# Altium PCB Daughter Board.PcbDoc (part 2 of 3) (continued)
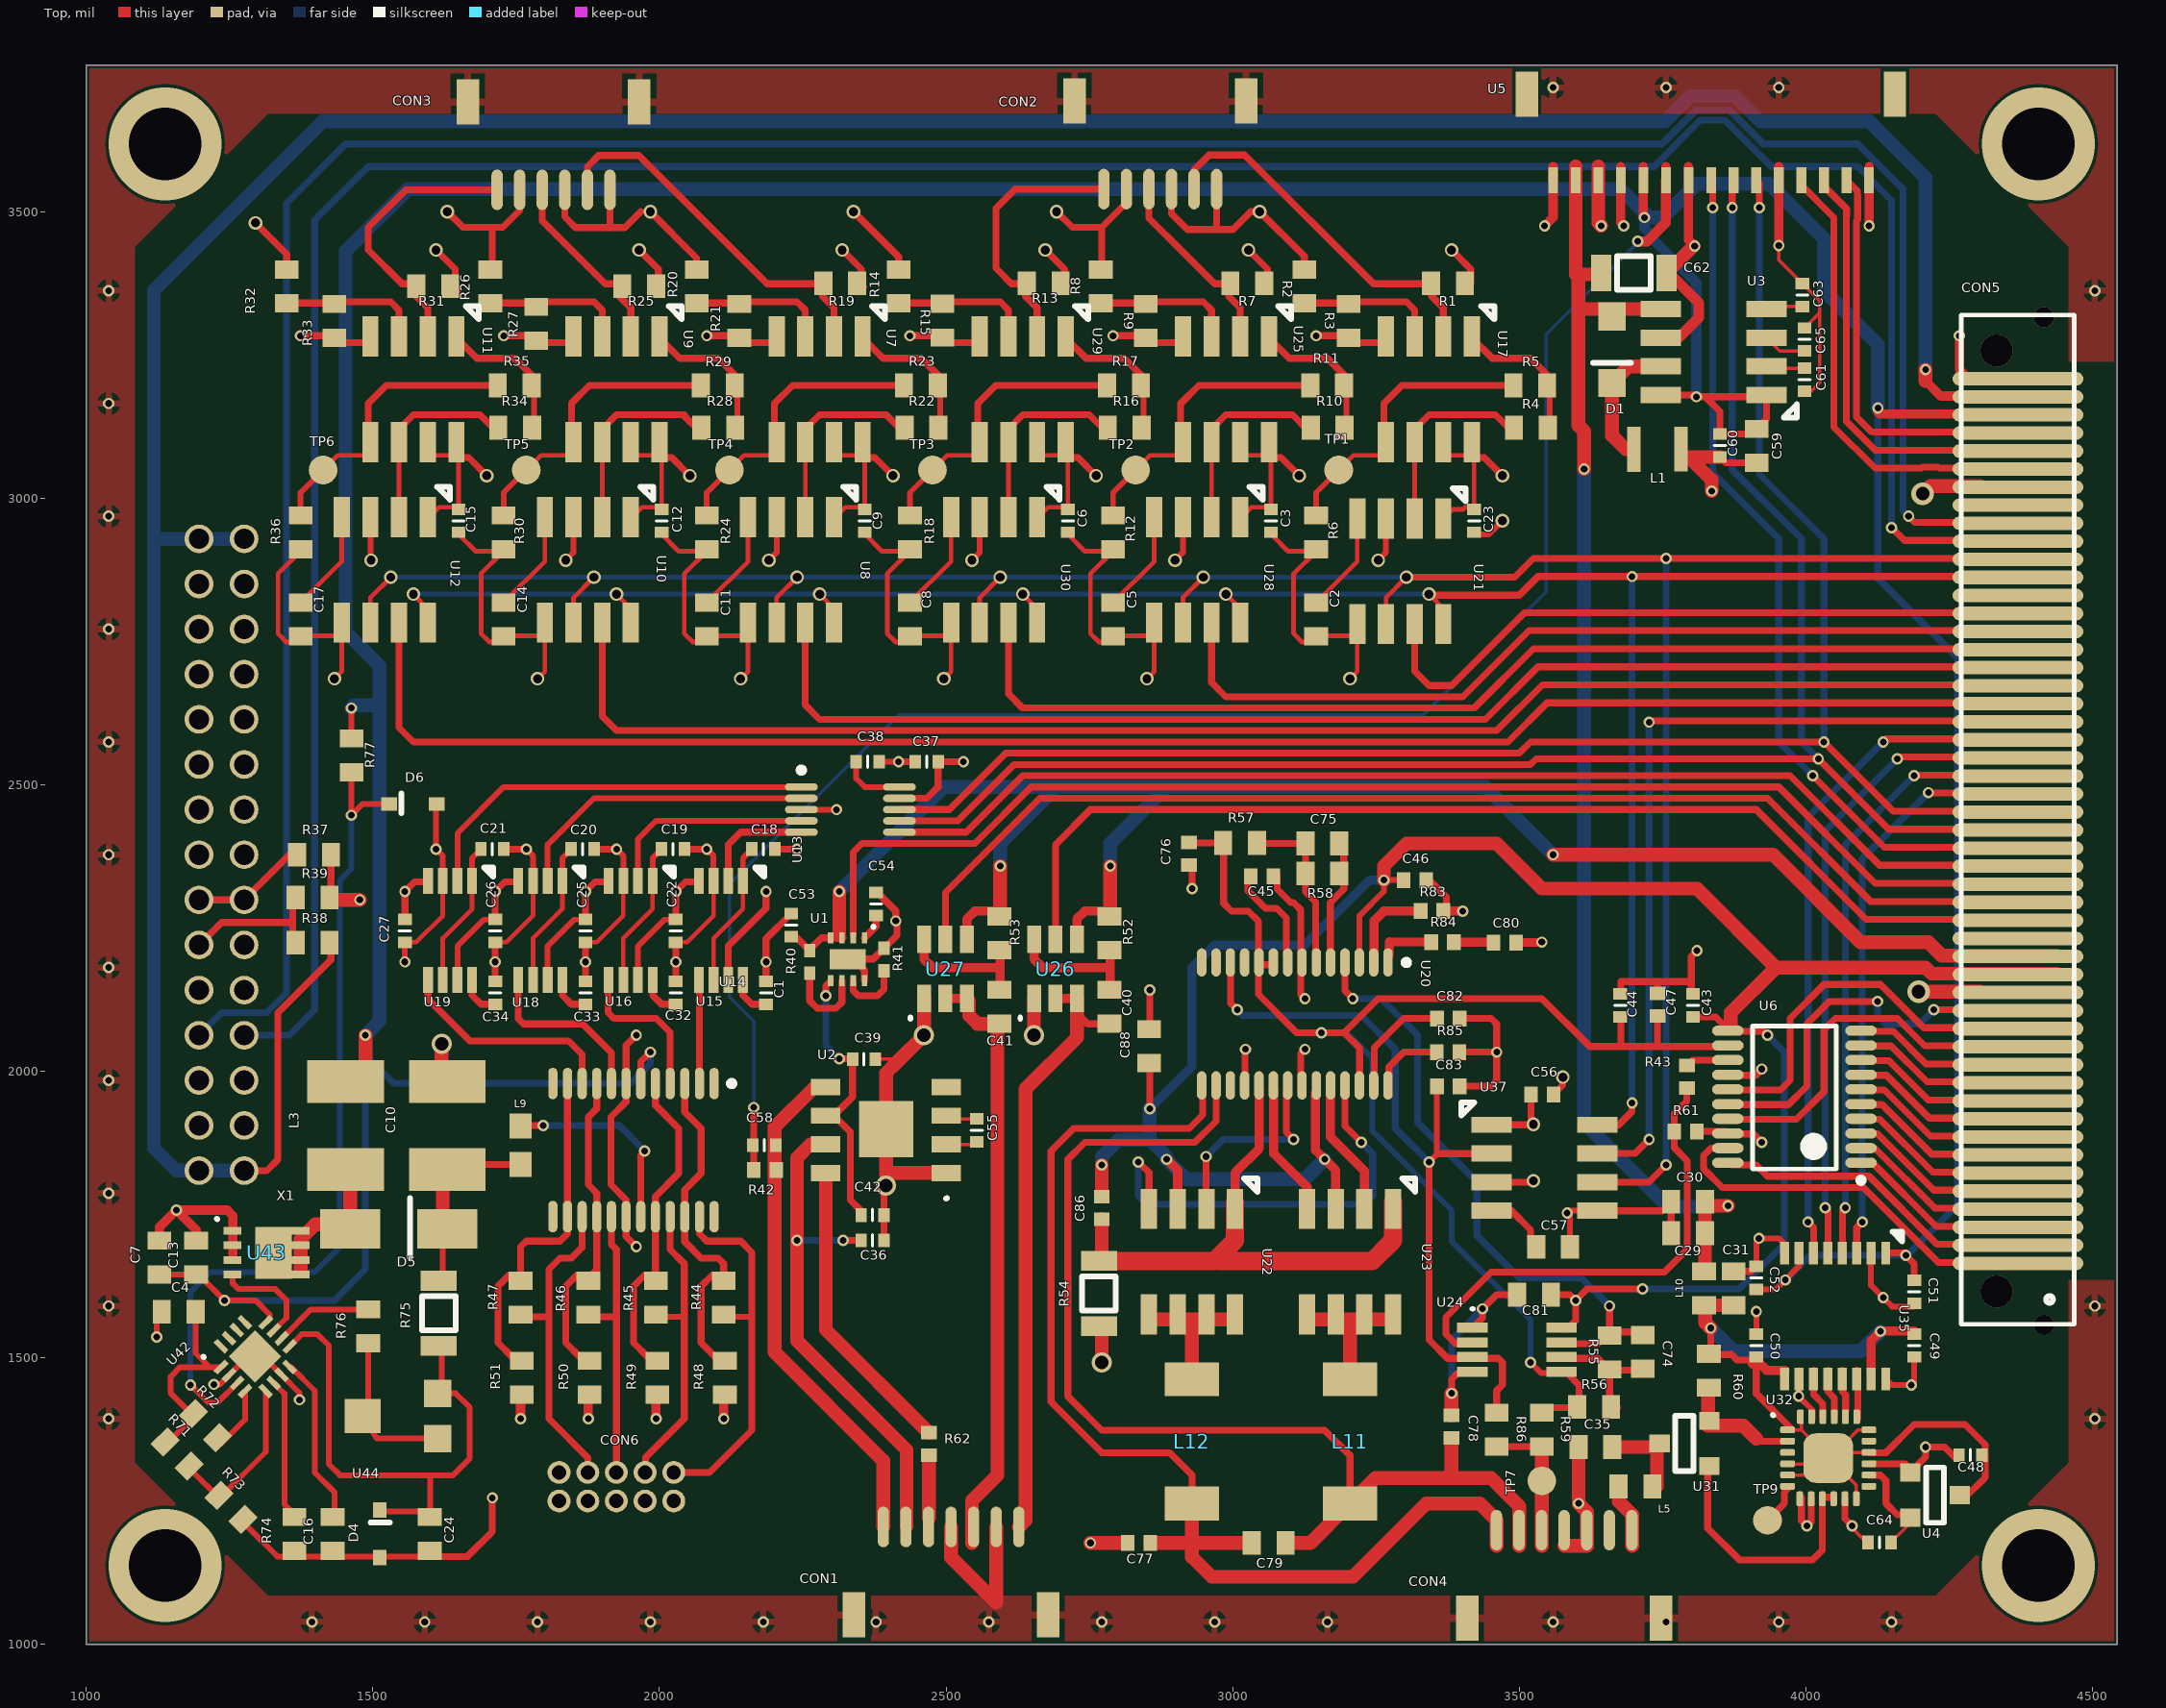
[diagram p0: Top view]
## Nets (pads, with @x,y where several pads share a name; then routed paths per layer and width w, separated by ;. In a path a pad name is that pad's centre, name@x,y a point inside that pad or via, vN(x,y) a via of type N, cw(c..) or ccw(c..) an arc to the next point about the centre after c; other vN are vias at no path point) (continued)
  Top w12: C45.2@3026.57,2343.5 3026.57,2314.96 3057.09,2284.45 3076.77,2284.45 3093.5,2267.72 U20.8@3093.5,2202.76
NetC54_2: C54.2 U1.1 | length 47.7
  Top w12: U1.1@2357.89,2232.88 2377.93,2252.92 C54.2@2377.93,2272 C54.2@2377.93,2272.32
NetC55_1: C55.1 U2.3 | length 55.7
  Top w6: U2.3@2500.31,1922.61 2505.88,1917.04 C55.1@2553.74,1917.04
NetC55_2: C55.2 U2.2 | length 55.3
  Top w6: U2.2@2500.31,1872.61 2549.31,1872.61 C55.2@2553.74,1877.04
NetC57_1: C57.1 U37.4 | length 111.2
  Top w12: U37.4@3451.77,1756.69 3486.42,1756.69 3519.69,1723.43 C57.1@3519.69,1693.9
NetC61_2: C61.2 U3.2 | length 67.6
  Top w6: U3.2@3931.31,3230 3934.41,3226.9 C61.2@3997.66,3226.9
NetC63_2: C63.2 U3.4 | length 64.4
  Top w6: U3.4@3931.31,3330 3935.74,3334.43 C63.2@3993.87,3334.43
NetC64_2: C64.2 U4.2 U32.14 | length 181.4
  Top w6: C64.2@4148.32,1178 4181.89,1211.57 U4.2@4181.89,1221.23
  Top w12: U32.14@4109.25,1295.28 4129.92,1295.28 4139.76,1285.43 4139.76,1246.06 4159.45,1226.38 U4.2@4181.89,1226.38
NetC65_2: C65.2 U3.3 | length 75.9
  Top w6: U3.3@3931.31,3280 3954.31,3257 C65.2@3997.66,3257
NetC74_1: C74.1 R55.2 U20.4 U24.7 | length 1092.7
  Top w12: U20.4@3195.87,2202.76 3195.87,2140.75 v1(3209.65,2126.97) ; U24.7@3583.15,1524.65 3636.85,1524.65 R55.2@3657.48,1545.28 ; v1(3657.48,1590.55) R55.2@3657.48,1545.28 ; C74.1@3726.38,1545.28 R55.2@3657.48,1545.28
  Bottom w12: v1(3209.65,2126.97) 3258.86,2126.97 3322.83,2062.99 3322.83,1910.43 3426.18,1807.09 3426.18,1713.58 3500,1639.76 3608.27,1639.76 v1(3657.48,1590.55)
NetC74_2: C74.2 R55.1 R56.2 U24.6 | length 222.5
  Top w12: U24.6@3583.15,1499.06 3636.77,1499.06 R55.1@3657.48,1478.35 ; R56.2@3671.26,1413.39 3657.48,1427.17 R55.1@3657.48,1478.35 ; C74.2@3726.38,1478.35 R55.1@3657.48,1478.35
NetC75_1: C75.1 R58.2 U20.5 | length 204.7
  Top w12: U20.5@3170.28,2202.76 3170.28,2294.29 3193.9,2317.91 3193.9,2338.58 C75.1@3193.9,2397.64
NetC75_2: C75.2 R57.1 R58.1 U20.6 | length 278
  Top w12: R57.1@3051.18,2397.64 C75.2@3126.97,2397.64 3126.97,2338.58 3126.97,2312.99 3144.69,2295.28 U20.6@3144.69,2202.76
NetC80_2: C80.2 R84.2 | length 47.2
  Top w16: R84.2@3397.64,2225.39 C80.2@3444.88,2225.39
NetC82_1: C82.1 U20.27 | length 209.2
  Top w12: U20.27@3247.05,1962.6 3247.05,2041.34 3298.23,2092.52 C82.1@3356.3,2092.52
NetC83_1: C83.1 R86.1 U20.12 U24.3 U37.2 | length 1381.5
  Top w6: U20.12@2996.4,2185.9 U20.12@2996.5,2186
  Top w10: v1(3342.52,1841.54) 3356.3,1855.32 C83.1@3356.3,1974.41
  Top w12: U20.12@2996.4,2185.9 2996.4,2118.75 v1(3007.87,2107.28) ; v1(3342.52,1841.54) 3342.52,1531.5 3374.96,1499.06 3463.54,1499.06 3470.47,1492.13 3470.47,1452.76 3460.63,1442.91 R86.1@3460.63,1412.4 ; 3356.3,1855.32 3357.28,1856.3 3436.61,1856.3 U37.2@3451.77,1856.69
  Bottom w12: v1(3007.87,2107.28) 3017.72,2097.44 3224.41,2097.44 3283.46,2038.39 3283.46,1900.59 v1(3342.52,1841.54)
NetC86_1: C86.1 R54.2 U20.19 U22.1 U23.1 | length 992.9
  Top w16: U22.1@3004.13,1771.65 3004.13,1823.03 3046.5,1865.4 U20.19@3046.5,1971.43
  Top w24: R54.2@2771.65,1671.14 C86.1@2771.65,1742.13
  Top w32: R54.2@2771.65,1671.14 2773.5,1669.29 2968.5,1669.29 2973.43,1674.21 ; U22.1@3004.13,1771.65 U22.1@3004.13,1760 3004.13,1704.92 2973.43,1674.21 ; U23.1@3279.72,1771.65 U23.1@3279.72,1760 3279.72,1704.92 3244.09,1669.29 2978.35,1669.29 2973.43,1674.21
NetCON1_5: CON1.5 R62.1 | length 115.7
  Top w6: CON1.5@2463.79,1220.51 CON1.5@2470,1220.51
  Top w24: CON1.5@2470,1220.51 R62.1@2470,1329.98
NetCON5_7: CON5.7 U6.5 | length 242.8
  Top w12: U6.5@4097.16,1941.93 4132.87,1941.93 4219.29,1855.51 CON5.7@4304.13,1855.51
NetCON5_13: CON5.13 U6.17 | length 593
  Top w12: U6.17@3867.41,1916.34 3983.27,1916.34 4031.5,1964.57 4031.5,2072.83 4051.18,2092.52 4159.45,2092.52 4207.48,2044.49 CON5.13@4304.13,2044.49
NetCON5_14: CON5.14 U6.15 | length 607.7
  Top w12: U6.15@3867.41,1967.52 3955.71,1967.52 3972.44,1984.25 3972.44,2092.52 4031.5,2151.57 4129.92,2151.57 4205.51,2075.98 CON5.14@4304.13,2075.98
NetCON5_15: CON5.15 U6.16 | length 615.9
  Top w12: U6.16@3867.41,1941.93 3969.49,1941.93 4001.97,1974.41 4001.97,2082.68 4041.34,2122.05 v1(4125,2122.05) ; v1@4223.23,2107.48 CON5.15@4304.13,2107.48
  Bottom w12: v1(4125,2122.05) 4125,2097.44 4139.76,2082.68 4198.82,2082.68 v1(4223.43,2107.28)
NetCON5_24: CON5.24 U5.8 | length 1456.7
  Top w6: U5.8@3834.65,3555 U5.8@3837.34,3552.32
  Top w12: v1(3837.34,3507.15) U5.8@3837.34,3552.32 ; v1(4011.81,2515.75) 4136.61,2390.94 CON5.24@4304.13,2390.94
  Bottom w12: v1(3837.34,3507.15) 3837.34,3044.55 3952.76,2929.13 3952.76,2574.8 v1(4011.81,2515.75)
NetCON6_1: CON6.1 R44.2 U14.23 | length 663.3
  Top w10: R44.2@2112.2,1571.85 2155.51,1571.85 2161.42,1565.94
  Top w12: CON6.1@2025.2,1300.2 2087.6,1300.2 2161.42,1374.02 2161.42,1565.94 2161.42,1684.06 2141.73,1703.74 2082.68,1703.74 2069.88,1716.54 U14.23@2069.88,1746.35
NetCON6_3: CON6.3 R45.2 U14.21 | length 536.2
  Top w10: R45.2@1994.09,1571.85 2037.4,1571.85 2043.31,1565.94
  Top w12: CON6.3@1975.2,1300.2 1975.2,1305.91 1975.98,1306.69 1975.98,1326.38 2043.31,1393.7 2043.31,1565.94 2043.31,1664.37 2018.7,1688.98 U14.21@2018.7,1746.35
NetCON6_5: CON6.5 R46.2 U14.17 | length 499
  Top w12: R46.2@1875.98,1571.85 1925.2,1571.85 ; U14.17@1916.34,1746.35 1916.34,1697.83 1925.2,1688.98 1925.2,1571.85 ; CON6.5@1925.2,1300.2 1925.2,1571.85
NetCON6_7: CON6.7 R47.2 U14.15 | length 559.2
  Top w12: R47.2@1757.87,1571.85 1807.09,1571.85 ; U14.15@1865.16,1746.35 1865.16,1692.91 1846.46,1674.21 1826.77,1674.21 1807.09,1654.53 1807.09,1571.85 ; CON6.7@1875.2,1300.2 1875.2,1325.59 1807.09,1393.7 1807.09,1571.85
NetD1_1: D1.1 L1.1 U3.7 | length 237.3
  Top w6: 3685.7,3085.3 L1.1@3699.93,3085.3
  Top w24: 3685.7,3085.3 3661.59,3109.41 D1.1@3661.59,3200.86 3690.73,3230 U3.7@3747.06,3230
NetD5_1: D5.1 L3.2 U43.5 U43.6 U43.7 U43.8 U43.9 | length 251.1
  Top w24: 1374.02,1652.56 1374.02,1707.68 1399.61,1733.27 1460.63,1733.27 1460.63,1820.87 L3.2@1452.76,1828.74
NetL9_1: L9.1 U14.19 | length 352.7
  Top w12: L9.1@1757.87,1904.52 1758.86,1905.51 v1(1797.24,1905.51) ; U14.19@1967.52,1746.35 1967.52,1853.35 v1(1974.41,1861.22)
  Bottom w12: v1(1797.24,1905.51) 1930.12,1905.51 v1(1974.41,1861.22)
NetL11_P$1: L11.P$1 U23.5 U23.6 U23.7 U23.8 | length 254.3
  Top w24: U23.5@3129.72,1566.93 U23.8@3279.72,1566.93 ; L11.P$1@3204.72,1462.6 3204.72,1566.93
NetL12_P$1: L12.P$1 U22.5 U22.6 U22.7 U22.8 | length 254.3
  Top w24: U22.5@2854.13,1566.93 U22.8@3004.13,1566.93 ; L12.P$1@2929.13,1462.6 2929.13,1566.93
NetR2_1: R2.1 R3.2 U17.3 | length 248.6
  Top w12: R2.1@3125.98,3340.55 3202.76,3340.55 3204.72,3338.58 3208.66,3342.52 3303.15,3342.52 3317.52,3328.15 U17.3@3317.52,3279.53
NetR4_1: R4.1 R5.2 U17.1 | length 274
  Top w10: R4.1@3553.15,3118.11 R5.2@3553.15,3196.85
  Top w12: U17.1@3421.26,3263.78 3421.26,3275.79 3417.52,3279.53 3452.95,3244.09 3519.69,3244.09 3553.15,3210.63 R5.2@3553.15,3196.85
NetR4_2: R4.2 U17.6 U21.2 | length 346.6
  Top w8: U21.2@3317.52,2964.57 U17.6@3317.52,3074.8
  Top w12: U17.6@3317.52,3074.8 3317.52,3120.67 3342.52,3145.67 3458.66,3145.67 R4.2@3486.22,3118.11
NetR5_1: R5.1 R6.2 TP1.TP U17.5 | length 511.8
  Top w8: TP1.TP@3185.04,3049.21 3210.63,3074.8 U17.5@3267.52,3074.8
  Top w10: R6.2@3145.67,2974.41 3145.67,3009.84 TP1.TP@3185.04,3049.21
  Top w12: U17.5@3267.52,3074.8 3263.78,3078.54 3263.78,3165.35 3295.28,3196.85 R5.1@3486.22,3196.85
NetR8_1: R8.1 R9.2 U25.3 | length 248.6
  Top w12: R8.1@2771.65,3340.55 2848.43,3340.55 2850.39,3338.58 2854.33,3342.52 2948.82,3342.52 2963.19,3328.15 U25.3@2963.19,3279.53
NetR10_1: R10.1 R11.2 U25.1 | length 256.7
  Top w10: R10.1@3198.82,3118.11 R11.2@3198.82,3196.85
  Top w12: U25.1@3063.19,3279.53 3098.62,3244.09 3165.35,3244.09 3198.82,3210.63 R11.2@3198.82,3196.85
NetR10_2: R10.2 U25.6 U28.2 | length 346.6
  Top w8: U28.2@2963.19,2964.57 U25.6@2963.19,3074.8
  Top w12: U25.6@2963.19,3074.8 2963.19,3120.67 2988.19,3145.67 3104.33,3145.67 R10.2@3131.89,3118.11
NetR11_1: R11.1 R12.2 TP2.TP U25.5 | length 511.8
  Top w8: TP2.TP@2830.71,3049.21 2856.3,3074.8 U25.5@2913.19,3074.8
  Top w10: R12.2@2791.34,2974.41 2791.34,3009.84 TP2.TP@2830.71,3049.21
  Top w12: U25.5@2913.19,3074.8 2909.45,3078.54 2909.45,3165.35 2940.94,3196.85 R11.1@3131.89,3196.85
NetR14_1: R14.1 R15.2 U29.3 | length 248.6
  Top w12: R14.1@2417.32,3340.55 2494.09,3340.55 2496.06,3338.58 2500,3342.52 2594.49,3342.52 2608.86,3328.15 U29.3@2608.86,3279.53
NetR16_1: R16.1 R17.2 U29.1 | length 256.7
  Top w10: R16.1@2844.49,3118.11 R17.2@2844.49,3196.85
  Top w12: U29.1@2708.86,3279.53 2744.29,3244.09 2811.02,3244.09 2844.49,3210.63 R17.2@2844.49,3196.85
NetR16_2: R16.2 U29.6 U30.2 | length 346.6
  Top w8: U30.2@2608.86,2964.57 U29.6@2608.86,3074.8
  Top w12: U29.6@2608.86,3074.8 2608.86,3120.67 2633.86,3145.67 2750,3145.67 R16.2@2777.56,3118.11
NetR17_1: R17.1 R18.2 TP3.TP U29.5 | length 511.8
  Top w8: TP3.TP@2476.38,3049.21 2501.97,3074.8 U29.5@2558.86,3074.8
  Top w10: R18.2@2437.01,2974.41 2437.01,3009.84 TP3.TP@2476.38,3049.21
  Top w12: U29.5@2558.86,3074.8 2555.12,3078.54 2555.12,3165.35 2586.61,3196.85 R17.1@2777.56,3196.85
NetR20_1: R20.1 R21.2 U7.3 | length 248.6
  Top w12: R20.1@2062.99,3340.55 2139.76,3340.55 2141.73,3338.58 2145.67,3342.52 2240.16,3342.52 2254.53,3328.15 U7.3@2254.53,3279.53
NetR22_1: R22.1 R23.2 U7.1 | length 256.7
  Top w10: R22.1@2490.16,3118.11 R23.2@2490.16,3196.85
  Top w12: U7.1@2354.53,3279.53 2389.96,3244.09 2456.69,3244.09 2490.16,3210.63 R23.2@2490.16,3196.85
NetR22_2: R22.2 U7.6 U8.2 | length 346.6
  Top w8: U8.2@2254.53,2964.57 U7.6@2254.53,3074.8
  Top w12: U7.6@2254.53,3074.8 2254.53,3120.67 2279.53,3145.67 2395.67,3145.67 R22.2@2423.23,3118.11
NetR23_1: R23.1 R24.2 TP4.TP U7.5 | length 511.8
  Top w8: TP4.TP@2122.05,3049.21 2147.64,3074.8 U7.5@2204.53,3074.8
  Top w10: R24.2@2082.68,2974.41 2082.68,3009.84 TP4.TP@2122.05,3049.21
  Top w12: U7.5@2204.53,3074.8 2200.79,3078.54 2200.79,3165.35 2232.28,3196.85 R23.1@2423.23,3196.85
NetR26_1: R26.1 R27.2 U9.3 | length 248.6
  Top w12: R26.1@1708.66,3340.55 1785.43,3340.55 1787.4,3338.58 1791.34,3342.52 1885.83,3342.52 1900.2,3328.15 U9.3@1900.2,3279.53
NetR28_1: R28.1 R29.2 U9.1 | length 256.7
  Top w10: R28.1@2135.83,3118.11 R29.2@2135.83,3196.85
  Top w12: U9.1@2000.2,3279.53 2035.63,3244.09 2102.36,3244.09 2135.83,3210.63 R29.2@2135.83,3196.85
NetR28_2: R28.2 U9.6 U10.2 | length 347.7
  Top w8: U10.2@1900.2,2964.57 U9.6@1900.2,3074.8
  Top w12: U9.6@1900.2,3074.8 1900.2,3120.67 1925.2,3145.67 2043.31,3145.67 2043.31,3143.7 R28.2@2068.9,3118.11
NetR29_1: R29.1 R30.2 TP5.TP U9.5 | length 511.8
  Top w8: TP5.TP@1767.72,3049.21 1793.31,3074.8 U9.5@1850.2,3074.8
  Top w10: R30.2@1728.35,2974.41 1728.35,3009.84 TP5.TP@1767.72,3049.21
  Top w12: U9.5@1850.2,3074.8 1846.46,3078.54 1846.46,3165.35 1877.95,3196.85 R29.1@2068.9,3196.85
NetR32_1: R32.1 R33.2 U11.3 | length 248.6
  Top w12: R32.1@1354.33,3340.55 1431.1,3340.55 1433.07,3338.58 1437.01,3342.52 1531.5,3342.52 1545.87,3328.15 U11.3@1545.87,3279.53
NetR34_1: R34.1 R35.2 U11.1 | length 256.7
  Top w10: R34.1@1781.5,3118.11 R35.2@1781.5,3196.85
  Top w12: U11.1@1645.87,3279.53 1681.3,3244.09 1748.03,3244.09 1781.5,3210.63 R35.2@1781.5,3196.85
NetR34_2: R34.2 U11.6 U12.2 | length 346.6
  Top w8: U12.2@1545.87,2964.57 U11.6@1545.87,3074.8
  Top w12: U11.6@1545.87,3074.8 1545.87,3120.67 1570.87,3145.67 1687.01,3145.67 R34.2@1714.57,3118.11
NetR35_1: R35.1 R36.2 TP6.TP U11.5 | length 511.8
  Top w8: TP6.TP@1413.39,3049.21 1438.98,3074.8 U11.5@1495.87,3074.8
  Top w10: R36.2@1374.02,2974.41 1374.02,3009.84 TP6.TP@1413.39,3049.21
  Top w12: U11.5@1495.87,3074.8 1492.13,3078.54 1492.13,3165.35 1523.62,3196.85 R35.1@1714.57,3196.85
NetR37_2: R37.2 X1.13 X1.14 | length 196
  Top w12: X1.14@1196.85,2299.21 X1.13@1275.59,2299.21 1354.33,2377.95 R37.2@1360.24,2377.95
NetR38_1: R38.1 R39.1 X1.12 | length 258.4
  Top w12: X1.12@1196.85,2220.47 1236.22,2259.84 1360.24,2259.84 ; R38.1@1360.24,2220.47 1360.24,2259.84 ; R39.1@1360.24,2299.21 1360.24,2259.84
NetR40_2: R40.2 U1.6 | length 152
  Top w12: R40.2@2262.29,2171.25 2262.29,2122.88 2275.29,2109.87 2307.87,2109.87 2318.52,2120.52 U1.6@2318.52,2158.07
NetR41_1: R41.1 U1.7 | length 111.3
  Top w12: U1.7@2338.2,2158.07 2338.2,2140.54 2346.77,2131.97 2380.61,2131.97 2391.71,2143.07 R41.1@2391.71,2175.2
NetR43_1: R43.1 U6.13 | length 75.4
  Top w6: R43.1@3792.43,2009.94 R43.1@3802.06,2019.57
  Top w12: R43.1@3802.06,2019.57 U6.13@3863.86,2019.57
NetR44_1: R44.1 R48.2 U14.3 U14.22 | length 620.5
  Top w12: U14.3@2044.29,1976.09 2044.29,1929.13 2072.83,1900.59 2072.83,1821.85 2044.29,1793.31 U14.22@2044.29,1746.35 2044.29,1702.76 2072.83,1674.21 2102.36,1674.21 2112.2,1664.37 R44.1@2112.2,1638.78 ; R48.2@2112.2,1500.98 2098.43,1500.98 2072.83,1526.57 2072.83,1625 2092.52,1644.68 2106.3,1644.68 R44.1@2112.2,1638.78 ; 2112.2,1654.53 R44.1@2112.2,1638.78
NetR45_1: R45.1 R49.2 U14.5 U14.20 | length 574.4
  Top w12: R45.1@1993.11,1639.76 R45.1@1993.11,1644.68 ; U14.5@1993.11,1976.09 1993.11,1940.94 2033.46,1900.59 2033.46,1821.85 1993.11,1781.5 U14.20@1993.11,1746.35 R45.1@1993.11,1644.68 ; R49.2@1994.09,1500.98 1980.32,1500.98 1954.72,1526.57 1954.72,1625 1974.41,1644.68 1988.19,1644.68 1994.09,1638.78 1994.09,1643.7 R45.1@1993.11,1644.68
NetR46_1: R46.1 R50.2 U14.9 U14.16 | length 561
  Top w12: R46.1@1871.06,1643.7 R46.1@1875.98,1638.78 ; R50.2@1875.98,1500.98 1862.2,1500.98 1836.61,1526.57 1836.61,1625 1856.3,1644.68 1870.08,1644.68 R46.1@1875.98,1638.78 ; U14.9@1890.75,1976.09 1890.75,1935.04 1875.98,1920.28 1875.98,1802.17 1890.75,1787.4 1890.75,1746.35 1890.75,1653.54 R46.1@1875.98,1638.78
NetR47_1: R47.1 R51.2 U14.11 U14.14 | length 604.1
  Top w12: R51.2@1757.87,1500.98 1744.09,1500.98 1718.5,1526.57 1718.5,1625 1738.19,1644.68 1751.97,1644.68 1757.87,1638.78 1757.87,1693.9 1767.72,1703.74 1826.77,1703.74 1839.57,1716.54 1839.57,1746.35 U14.11@1839.57,1976.09
NetR60_1: R60.1 U31.2 U32.2 | length 213.6
  Top w12: 3913.39,1359.25 3918.31,1354.33 U32.2@3973.43,1354.33
  Top w24: R60.1@3829.72,1438.98 3829.72,1382.87 3828.74,1381.89 3890.75,1381.89 3913.39,1359.25
NetR71_2: R71.2 R73.1 U42.5 | length 286.1
  Top w10: R71.2@1186.06,1301.14 1232.24,1254.96 1313.37,1336.09 U42.5@1313.37,1442.11
NetR72_2: R72.2 U42.4 | length 109.1
  Top w10: R72.2@1235.28,1350.35 1277.18,1392.26 U42.4@1277.18,1442.11
NetR74_1: R74.1 U42.6 | length 250.8
  Top w10: U42.6@1327.29,1456.03 1346.1,1437.22 1346.1,1244.45 1364.17,1226.38 R74.1@1364.17,1220.47
NetR76_1: R76.1 U42.10 | length 171.9
  Top w10: U42.10@1341.21,1533.98 1391.87,1584.65 R76.1@1492.13,1584.65
NetR76_2: R76.2 U44.1 U44.2 | length 275.9
  Top w10: R76.2@1492.13,1517.72 1492.13,1408.46 U44.2@1482.28,1398.62 1506.89,1359.25 U44.1@1613.19,1359.25
NetR83_1: R83.1 U20.2 | length 141.8
  Top w16: U20.2@3247.05,2202.76 3247.05,2262.8 3263.78,2279.53 R83.1@3321.85,2279.53
NetR84_1: R84.1 U20.1 | length 96.5
  Top w16: U20.1@3272.64,2202.76 3273.62,2226.38 R84.1@3346.46,2225.39
NetR85_2: R85.2 U20.28 | length 139.5
  Top w12: U20.28@3272.64,1962.6 3272.64,2007.87 3298.23,2033.46 R85.2@3356.3,2033.46
NetTP9_TP: TP9.TP U32.6 | length 75.4
  Top w12: TP9.TP@3933.07,1216.54 3962.6,1246.06 3962.6,1265.75 U32.6@3972.44,1275.59
NetU13_1: U13.1 U19.2 | length 725.8
  Top w10: U19.2@1647.64,2330.71 1647.64,2415.35 1728.35,2496.06 U13.1@2255.39,2496.06
NetU13_2: U13.2 U18.2 | length 548.7
  Top w10: U18.2@1805.12,2330.71 1805.12,2395.67 1885.83,2476.38 U13.2@2255.39,2476.38
NetU13_4: U13.4 U16.2 | length 380.6
  Top w10: U16.2@1962.6,2330.71 1962.6,2405.51 1994.09,2437.01 U13.4@2255.39,2437.01
NetU13_5: U13.5 U15.2 | length 209.2
  Top w12: U15.2@2120.08,2330.71 2120.08,2395.67 2141.73,2417.32 U13.5@2255.39,2417.32
NetU14_2: U14.2 U15.5 | length 184.4
  Top w12: U15.5@2068.9,2159.45 2067.91,2158.46 2067.91,2151.57 2069.88,2148.62 U14.2@2069.88,1976.09
NetU14_4: U14.4 U16.5 | length 271.9
  Top w12: U16.5@1911.42,2159.45 1910.43,2158.46 1910.43,2102.36 1920.28,2092.52 1994.09,2092.52 2018.7,2067.91 U14.4@2018.7,1976.09
NetU14_8: U14.8 U18.5 | length 311.2
  Top w12: U18.5@1753.94,2159.45 1753.94,2091.54 1762.8,2082.68 1866.14,2082.68 1916.34,2032.48 U14.8@1916.34,1976.09
NetU14_10: U14.10 U19.5 | length 395.6
  Top w12: U19.5@1596.46,2159.45 1596.46,2125.98 1669.29,2053.15 1841.54,2053.15 1865.16,2029.53 U14.10@1865.16,1976.09
NetU20_20: U20.20 U23.4 | length 223.9
  Top w16: U20.20@3071.5,1971.43 3071.5,1856.65 3129.72,1798.43 U23.4@3129.72,1771.65
NetU20_21: U20.21 U22.2 | length 331.7
  Top w12: v1(2953.74,1851.38) 2953.74,1772.05 U22.2@2954.13,1771.65 ; U20.21@3093.5,1962.6 3093.5,1893.7 v1(3106.3,1880.91)
  Bottom w12: v1(2953.74,1851.38) 2983.27,1880.91 v1(3106.3,1880.91)
NetU20_24: U20.24 U23.2 | length 215.6
  Top w16: U20.24@3170.28,1962.6 3170.28,1885.83 3229.72,1826.38 U23.2@3229.72,1771.65
NetU20_25: U20.25 U22.4 | length 757.4
  Top w12: v1(2835.63,1841.54) 2854.13,1823.03 U22.4@2854.13,1771.65 ; U20.25@3195.87,1962.6 3195.87,1904.53 v1(3224.41,1875.98)
  Bottom w12: v1(2835.63,1841.54) 2835.63,1782.48 2850.39,1767.72 3229.33,1767.72 3244.09,1782.48 3244.09,1856.3 v1(3224.41,1875.98)
NetU31_1: U31.1 U32.9 U32.10 | length 440.9
  Top w12: U31.1@3828.74,1307.09 3828.74,1202.76 3883.86,1147.64 4011.81,1147.64 4028.8,1164.63 U32.9@4028.8,1254.26 ; U32.9@4031.5,1256.89 U32.10@4048.48,1256.89
NetU32_19: U32.19 U35.14 | length 85.4
  Top w12: U35.14@4088.68,1478.35 4088.68,1449.7 4090.55,1447.83 U32.19@4090.55,1393.7
NetU32_20: U32.20 U35.13 | length 72.4
  Top w12: U35.13@4063.68,1478.35 4063.68,1441.11 4069.18,1435.61 U32.20@4069.18,1408.22
NetU32_21: U32.21 U35.12 | length 85.5
  Top w12: U35.12@4038.68,1478.35 4038.68,1440.65 4049.35,1429.98 U32.21@4049.35,1397.26
NetU32_22: U32.22 U35.11 | length 87.7
  Top w12: U35.11@4013.68,1478.35 4013.68,1436.12 4029.67,1420.13 U32.22@4029.67,1397.26
NetU42_11: U42.11 U43.4 | length 182.8
  Top w10: U43.4@1255.91,1645.31 1255.91,1629.92 1265.75,1620.08 1329.72,1620.08 1349.41,1600.39 1349.41,1570.02 U42.11@1327.29,1547.9
P2: CON2.5 R1.2 U17.2 | length 656.3
  Top w12: CON2.5@2932.74,3539.37 2932.74,3572.74 2959,3599 3020.74,3599 3245.72,3374.02 3348.43,3374.02 3347.44,3373.03 3347.44,3352.36 3367.52,3332.28 U17.2@3367.52,3282.17 U17.2@3367.52,3279.53
P4: CON2.3 R7.2 U25.2 | length 341.6
  Top w12: CON2.3@2854,3539.37 2854,3488.52 2909.45,3433.07 2968.5,3374.02 2994.09,3374.02 2993.11,3373.03 2993.11,3352.36 3013.19,3332.28 U25.2@3013.19,3279.53
P6: CON2.1 R13.2 U29.2 | length 474
  Top w12: U29.2@2658.86,3279.53 U29.2@2658.86,3282.17 2658.86,3332.28 2638.78,3352.36 2638.78,3373.03 2639.76,3374.02 2614.17,3374.02 2587,3401.19 2587,3505.83 2620.54,3539.37 CON2.1@2775.26,3539.37
P8: CON3.5 R19.2 U7.2 | length 655.5
  Top w12: CON3.5@1874.37,3538 1874.37,3578.37 1894,3598 1964,3598 2187.98,3374.02 2285.43,3374.02 2284.45,3373.03 2284.45,3352.36 2304.53,3332.28 U7.2@2304.53,3282.17 U7.2@2304.53,3279.53
P10: CON3.3 R25.2 U9.2 | length 338.3
  Top w12: CON3.3@1795.63,3538 1795.63,3483.9 1905.51,3374.02 1931.1,3374.02 1931.04,3373.96 1930.12,3373.03 1930.12,3352.36 1950.2,3332.28 U9.2@1950.2,3282.17 U9.2@1950.2,3279.53
P12: CON3.1 R31.2 U11.2 | length 503.6
  Top w12: U11.2@1595.87,3279.53 1595.87,3332.28 1575.79,3352.36 1575.79,3373.03 1576.77,3374.02 1551.18,3374.02 1492.13,3433.07 1492.13,3472.44 1557.69,3538 CON3.1@1716.89,3538
"PD ANODE": C58.2 CON1.7 R42.2 U2.5 | length 894.5
  Top w6: U2.5@2270.93,1972.61 U2.5@2290.31,1972.61
  Top w12: CON1.7@2390.31,1205.44 CON1.7@2390.75,1205
  Top w24: U2.5@2270.93,1972.61 2201.1,1902.78 2201.1,1509.92 2390.31,1320.71 CON1.7@2390.31,1205.44
PD_ANODE: CON4.6
SPARE1: CON5.19
SPARE2: CON5.43
SPI1_CS1: CON5.23 U13.6 | length 2121.7
  Top w12: U13.6@2421.78,2417.32 2535.43,2417.32 2633.86,2515.75 3972.44,2515.75 4128.74,2359.45 CON5.23@4304.13,2359.45
  Top w16: CON5.23@4304.13,2359.45 CON5.23@4437.99,2359.45
SPI1_MOSI: CON5.26 U5.10 U13.8 | length 3010.5
  Top w6: U5.10@3913.39,3555 U5.10@3919,3549.39
  Top w12: U13.8@2421.78,2456.69 2505.91,2456.69 2604.33,2555.12 3500,2555.12 3519.69,2574.8 v1(4031.5,2574.8) 4152.36,2453.94 CON5.26@4304.13,2453.94 ; v1(3919,3507.15) U5.10@3919,3549.39
  Bottom w12: v1(3919,3507.15) 3919,3041.63 4031.5,2929.13 v1(4031.5,2574.8)
SPI1_SCK: CON5.25 U5.9 U13.7 | length 3051
  Top w6: U5.9@3871.53,3552.51 U5.9@3874.02,3555
  Top w12: U13.7@2421.78,2437.01 2520.67,2437.01 2619.09,2535.43 3519.69,2535.43 3529.53,2545.28 v1(4021.65,2545.28) 4144.49,2422.44 CON5.25@4304.13,2422.44 ; v1(3871.53,3507.15) U5.9@3871.53,3552.51
  Bottom w12: v1(3871.53,3507.15) 3871.53,3049.73 3992.13,2929.13 3992.13,2574.8 v1(4021.65,2545.28)
SPI2_#CS0: CON5.31 U37.7 | length 1522
  Top w12: U37.7@3656.5,1856.69 3702.17,1856.69 v1(3726.38,1880.91) ; v1(3726.38,2609.25) 3726.38,2611.42 CON5.31@4304.13,2611.42
  Top w16: CON5.31@4304.13,2611.42 CON5.31@4437.99,2611.42
  Bottom w12: v1(3726.38,1880.91) v1(3726.38,2609.25)
SPI2_#CS1: CON5.32 U12.7 | length 3090.7
  Top w12: U12.7@1545.87,2759.84 1545.87,2599.8 1570.87,2574.8 3480.32,2574.8 3548.43,2642.91 CON5.32@4304.13,2642.91
  Top w16: CON5.32@4304.13,2642.91 CON5.32@4437.99,2642.91
SPI2_#CS2: CON5.33 U10.7 | length 2721.6
  Top w12: U10.7@1900.2,2759.84 1900.2,2619.49 1925.2,2594.49 3460.63,2594.49 3540.55,2674.41 CON5.33@4304.13,2674.41
  Top w16: CON5.33@4304.13,2674.41 CON5.33@4437.99,2674.41
SPI2_#CS3: CON5.34 U8.7 | length 2352.5
  Top w12: U8.7@2254.53,2759.84 2254.53,2639.17 2279.53,2614.17 3440.94,2614.17 3532.68,2705.91 CON5.34@4304.13,2705.91
  Top w16: CON5.34@4304.13,2705.91 CON5.34@4437.99,2705.91
SPI2_#CS4: CON5.35 U30.7 | length 1983.4
  Top w12: U30.7@2608.86,2759.84 2608.86,2658.86 2633.86,2633.86 3421.26,2633.86 3524.8,2737.4 CON5.35@4304.13,2737.4
  Top w16: CON5.35@4304.13,2737.4 CON5.35@4437.99,2737.4
SPI2_#CS5: CON5.36 U28.7 | length 1614.2
  Top w12: U28.7@2963.19,2759.84 2963.19,2678.54 2988.19,2653.54 3401.57,2653.54 3516.93,2768.9 CON5.36@4304.13,2768.9
  Top w16: CON5.36@4304.13,2768.9 CON5.36@4437.99,2768.9
SPI2_#CS6: CON5.37 U21.7 | length 1245.1
  Top w12: U21.7@3317.52,2759.84 3317.52,2698.23 3342.52,2673.23 3381.89,2673.23 3509.06,2800.39 CON5.37@4304.13,2800.39
  Top w16: CON5.37@4304.13,2800.39 CON5.37@4437.99,2800.39
SPI2_#CS7: CON5.38
SPI2_DOUT: CON5.40 U8.6 U10.6 U12.6 U21.6 U28.6 U30.6 U37.6 | length 4792.8
  Top w8: U12.6@1495.87,2759.84 1495.87,2826.57 v2(1531.5,2862.2) ; U10.6@1850.2,2759.84 1850.2,2826.57 v2(1885.83,2862.2) ; U8.6@2204.53,2759.84 2204.53,2826.57 v2(2240.16,2862.2) ; U30.6@2558.86,2759.84 2558.86,2826.57 v2(2594.49,2862.2) ; U28.6@2913.19,2759.84 2913.19,2826.57 v2(2948.82,2862.2) ; U21.6@3267.52,2759.84 3267.52,2826.57 v2(3303.15,2862.2)
  Top w12: v2(3303.15,2862.2) 3492.13,2862.2 3524.8,2894.88 v1(3755.91,2894.88) CON5.40@4304.13,2894.88 ; U37.6@3656.5,1806.69 3725.98,1806.69 v1(3755.91,1836.61)
  Top w16: CON5.40@4304.13,2894.88 CON5.40@4437.99,2894.88
  Bottom w8: v2(1531.5,2862.2) v2(1885.83,2862.2) v2(2240.16,2862.2) v2(2594.49,2862.2) v2(2948.82,2862.2) v2(3303.15,2862.2)
  Bottom w12: v1(3755.91,1836.61) v1(3755.91,2894.88)
SPI2_SCLK: CON5.39 U8.8 U10.8 U12.8 U21.8 U28.8 U30.8 U37.8 | length 4361.2
  Top w8: v2(1570.87,2832.68) 1595.87,2807.68 U12.8@1595.87,2759.84 ; v2(1925.2,2832.68) 1950.2,2807.68 U10.8@1950.2,2759.84 ; v2(2279.53,2832.68) 2304.53,2807.68 U8.8@2304.53,2759.84 ; v2(2633.86,2832.68) 2658.86,2807.68 U30.8@2658.86,2759.84 ; v2(2988.19,2832.68) 3013.19,2807.68 U28.8@3013.19,2759.84 ; v2@3344.49,2830.71 3367.52,2807.68 U21.8@3367.52,2759.84
  Top w12: v2(3342.52,2832.68) 3344.49,2830.71 3500,2830.71 3532.68,2863.39 v1(3696.85,2863.39) CON5.39@4304.13,2863.39 ; U37.8@3656.5,1906.69 3673.43,1906.69 3696.85,1930.12 v1(3696.85,1944.88)
  Top w16: CON5.39@4304.13,2863.39 CON5.39@4437.99,2863.39
  Bottom w8: v2(1570.87,2832.68) v2(1925.2,2832.68) v2(2279.53,2832.68) v2(2633.86,2832.68) v2(2988.19,2832.68) v2(3342.52,2832.68)
  Bottom w12: v1(3696.85,1944.88) v1(3696.85,2863.39)
SPI3_CS: CON5.29 U35.5 | length 1196.2
  Top w12: v1(4033.76,1761.81) 4038.68,1756.89 U35.5@4038.68,1683.07 ; v1(4159.45,2545.28) 4162.6,2548.43 CON5.29@4304.13,2548.43
  Top w16: CON5.29@4304.13,2548.43 CON5.29@4437.99,2548.43
  Bottom w12: v1(4033.76,1761.81) 4033.76,2419.59 v1(4159.45,2545.28)
SPI3_MOSI: CON5.27 U35.3 | length 1079.4
  Top w12: U35.3@4088.68,1683.07 4088.68,1727.36 v1(4098.52,1737.2) ; v1(4213.58,2486.22) 4217.72,2485.43 CON5.27@4304.13,2485.43
  Top w16: CON5.27@4304.13,2485.43 CON5.27@4437.99,2485.43
  Bottom w12: v1(4098.52,1737.2) 4098.52,2371.16 v1(4213.58,2486.22)
SPI3_RESET: CON5.30 U35.6 | length 1255.3
  Top w12: v1(4003.84,1737.2) 4013.68,1727.36 U35.6@4013.68,1683.07 ; v1(4134.84,2574.8) 4139.96,2579.92 CON5.30@4304.13,2579.92
  Top w16: CON5.30@4304.13,2579.92 CON5.30@4437.99,2579.92
  Bottom w12: v1(4003.84,1737.2) 4003.84,2443.8 v1(4134.84,2574.8)
SPI3_SCLK: CON5.28 U35.4 | length 1134.1
  Top w12: U35.4@4063.68,1683.07 4063.68,1756.89 v1(4068.6,1761.81) ; v1(4188.98,2515.75) 4190.16,2516.93 CON5.28@4304.13,2516.93
  Top w16: CON5.28@4304.13,2516.93 CON5.28@4437.99,2516.93
  Bottom w12: v1(4068.6,1761.81) 4068.6,2395.37 v1(4188.98,2515.75)
TEC+: C78.2 C79.2 CON4.2 L11.P$2 U20.16 | length 1986.6
  Top w12: U20.16@2971,1964 2971.01,1912.94 2934.06,1875.98 2742.13,1875.98 2712.6,1846.46 2712.6,1433.07 2771.65,1374.02 3160.43,1374.02 3204.72,1329.72 L11.P$2@3204.72,1246.06
  Top w24: C79.2@3100.39,1177.17 3135.83,1177.17 L11.P$2@3199.8,1241.14 ; L11.P$2@3194.88,1246.06 L11.P$2@3199.8,1241.14 ; C78.2@3381.89,1348.43 3381.89,1290.35 ; CON4.2@3500,1172.24 3500,1241.14 3450.79,1290.35 3381.89,1290.35 ; L11.P$2@3199.8,1241.14 3204.72,1236.22 L11.P$2@3204.72,1246.06 ; L11.P$2@3199.8,1241.14 L11.P$2@3204.72,1246.06 ; L11.P$2@3204.72,1246.06 3249.02,1290.35 3381.89,1290.35
TEC-: C77.1 C79.1 CON4.1 L12.P$2 U20.15 | length 2033.8
  Top w12: L12.P$2@2929.13,1246.06 2929.13,1295.28 2889.76,1334.65 2771.65,1334.65 2683.07,1423.23 2683.07,1861.22 2722.44,1900.59 2924.21,1900.59 2947.55,1923.93 U20.15@2947.55,1955.01
  Top w24: C77.1@2856.3,1177.17 2929.13,1177.17 ; L12.P$2@2929.13,1246.06 2929.13,1177.17 ; C79.1@3033.46,1177.17 2929.13,1177.17 ; CON4.1@3460.63,1172.24 3460.63,1216.54 3431.1,1246.06 3337.6,1246.06 3209.65,1118.11 2963.58,1118.11 2929.13,1152.56 2929.13,1177.17
TEC_SETPOINT: R43.2 R61.1 U24.2 | length 850.4
  Top w12: U24.2@3416.81,1524.65 3388.74,1524.65 3372.05,1541.34 3372.05,1570.87 3450.79,1649.61 3753.1,1649.61 3792.75,1689.26 3792.75,1844.25 3770.63,1866.37 R61.1@3770.63,1895.2 3770.63,1926.5 3792.43,1948.31 R43.2@3792.43,1970.57
THERM2: CON4.3 R59.1 R86.2 TP7.TP | length 252
  Top w12: R86.2@3460.63,1345.47 R59.1@3539.37,1345.47
  Top w24: CON4.3@3539.37,1172.24 TP7.TP@3539.37,1285.43 R59.1@3539.37,1345.47
VLL: C4.2 R71.1 R72.1 U42.1 | length 357.5
  Top w10: R71.1@1138.74,1348.47 1187.95,1397.68 1147.64,1437.99 1147.64,1467.52 1163.99,1483.87 1214.95,1483.87 ; C4.2@1190.94,1580.71 1190.94,1507.87 1214.95,1483.87 ; U42.1@1235.42,1483.87 1214.95,1483.87
VSET: C44.1 C47.1 C76.1 R56.1 R57.2 R59.2 U6.12 U20.9 U20.10 U20.26 U24.5 | length 2467.1
  Top w10: v1(3519.69,1492.13) 3538.35,1473.46 U24.5@3583.15,1473.46
  Top w12: C76.1@2929.13,2398.62 R57.2@2983.27,2398.62 2984.25,2397.64 2984.25,2293.31 2998.03,2279.53 3027.56,2279.53 3045,2262.09 3045,2134.13 3111.71,2067.42 v1(3155.02,2067.42) 3194.39,2067.42 ; U20.10@3046.5,2186 U20.9@3071.5,2186 ; U20.26@3221.46,1962.6 3221.46,2040.35 3194.39,2067.42 ; R59.2@3539.37,1412.4 3545.28,1413.39 3604.33,1413.39 3604.33,1452.28 U24.5@3583.15,1473.46 ; C44.1@3677.17,2087.6 3677.17,2043.31 ; C47.1@3741.14,2096.46 3741.14,2043.31 ; U6.12@3867.41,2044.29 3866.43,2043.31 3741.14,2043.31 ; 3194.39,2067.42 3253.94,2126.97 3539.37,2126.97 3623.03,2043.31 3677.17,2043.31 ; 3677.17,2043.31 3741.14,2043.31
  Bottom w10: v1(3155.02,2067.42) 3199.31,2067.42 3244.09,2022.64 3244.09,1895.67 3381.89,1757.87 3381.89,1703.74 3519.69,1565.94 v1(3519.69,1492.13)
pads on no net: CON6.9 CON6.10 U2.4 U5.GND U14.1 U14.12 U14.13 U14.24 U20.11 U20.13 U20.14 U20.17 U32.3 U32.13 U32.17 U42.13 U42.14 U42.15 U42.16 X1.3 X1.4 X1.11 X1.15 X1.16 X1.17 X1.18 X1.19 X1.20 X1.21 X1.22 X1.23 X1.24 X1.27 X1.28
copper on no net:
  other v4: 1137.8,1137.8 4405.51,1137.8 1137.8,3618.11 4405.51,3618.11
  other v5: 4415.28,1557.72 4415.28,3315.59
  other v6: 4332.6,1615.79 4332.6,3257.52